# Altium PCB POWER_BOARD.PcbDoc
Units mm, origin at the board's own origin, x right, y up, seen from the top; angles counter-clockwise.
Board outline 99.82 x 99.82 mm, 2 copper layers (Top Layer, Bottom Layer); 78 components, 31 nets, 191 pads, 245 vias.
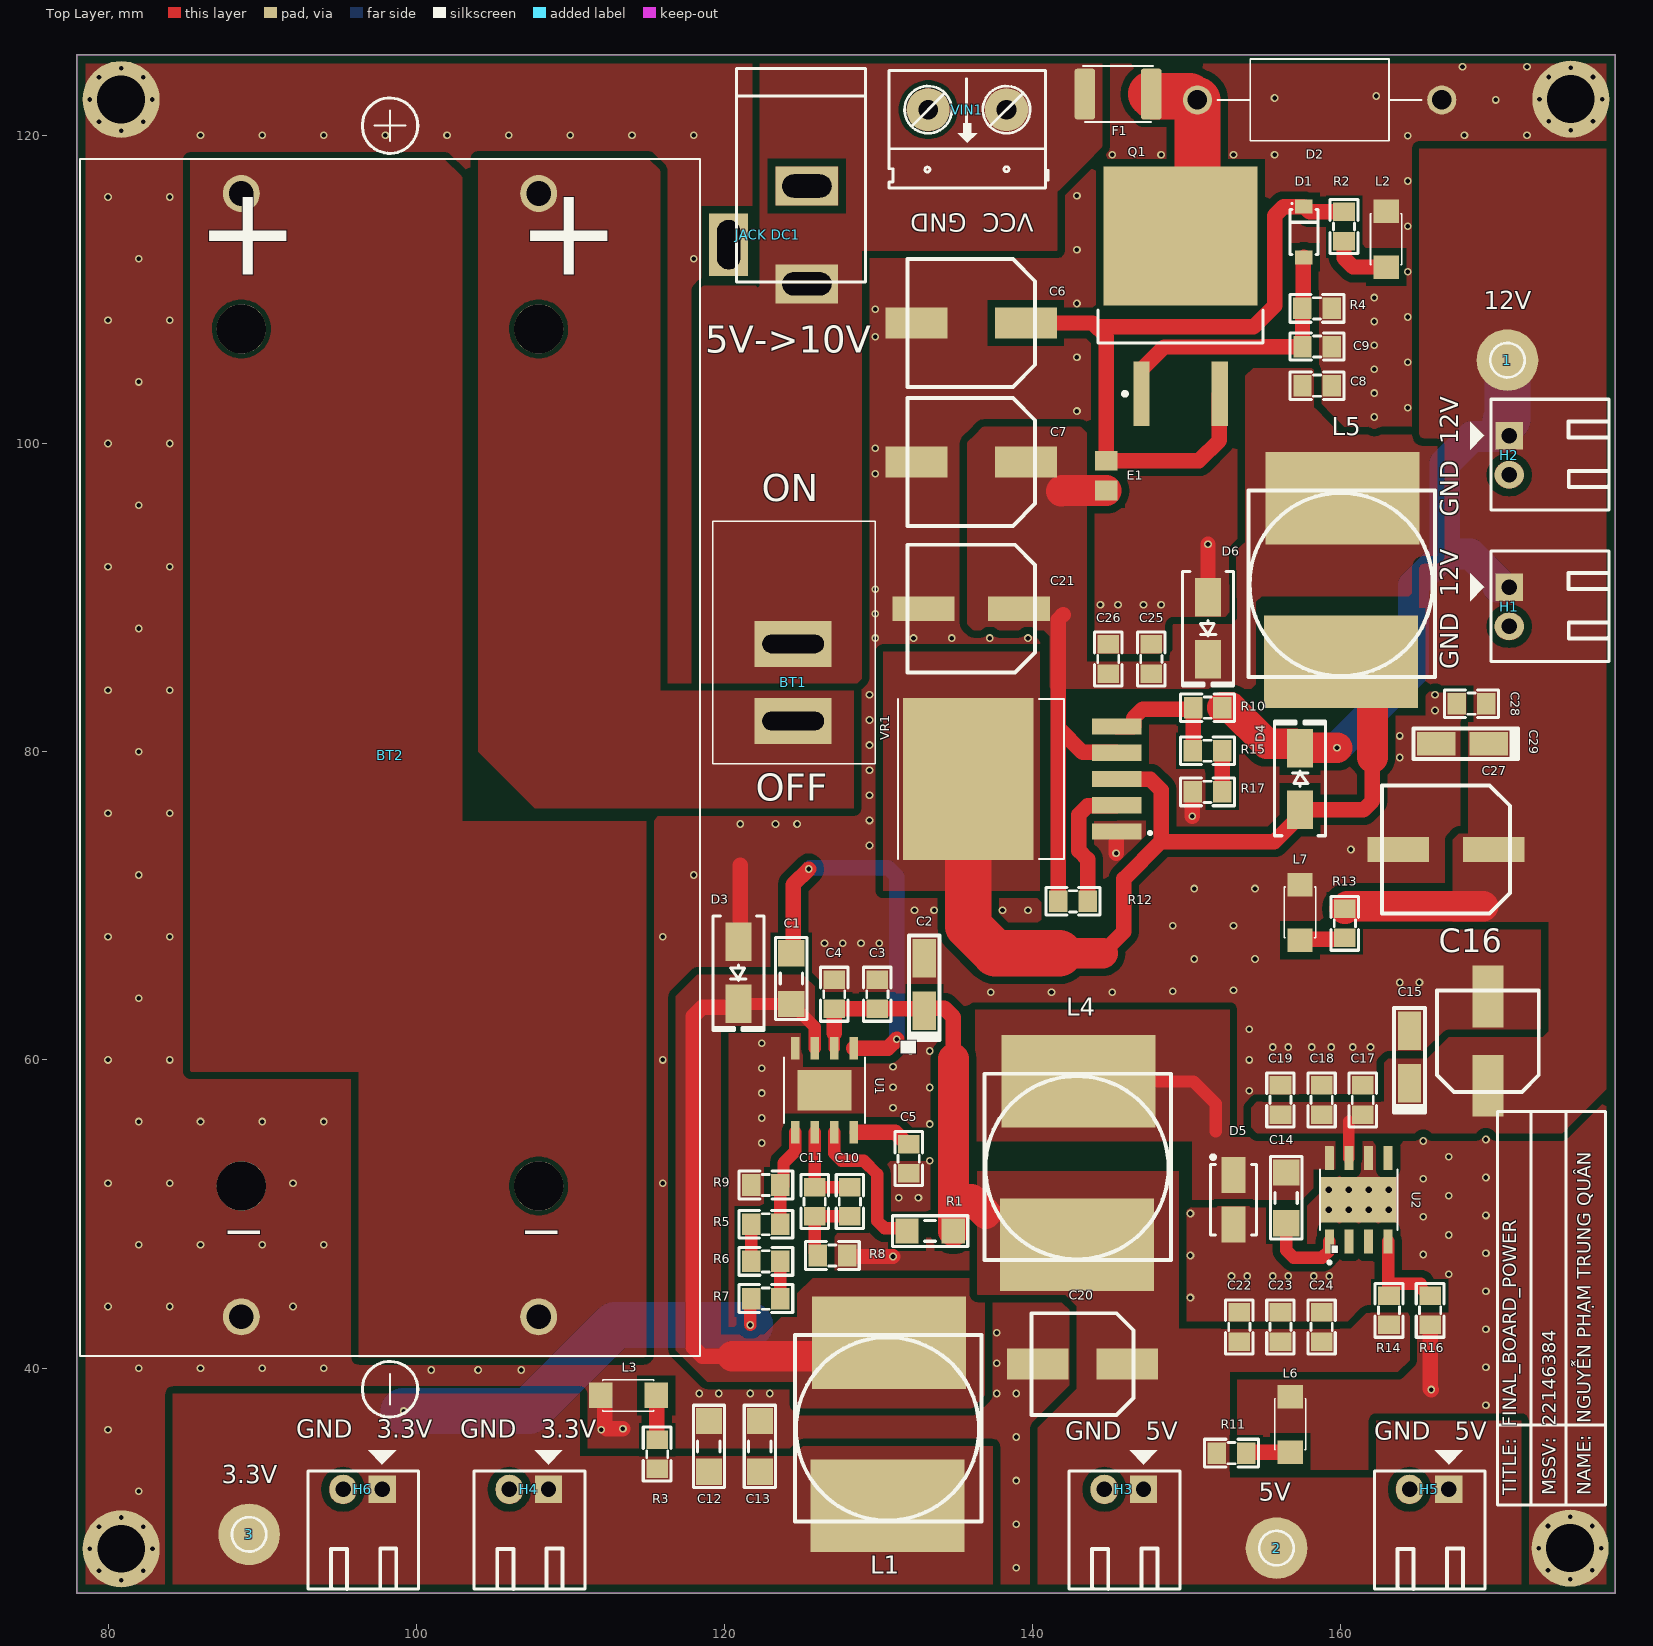
[diagram p0: Top Layer view]
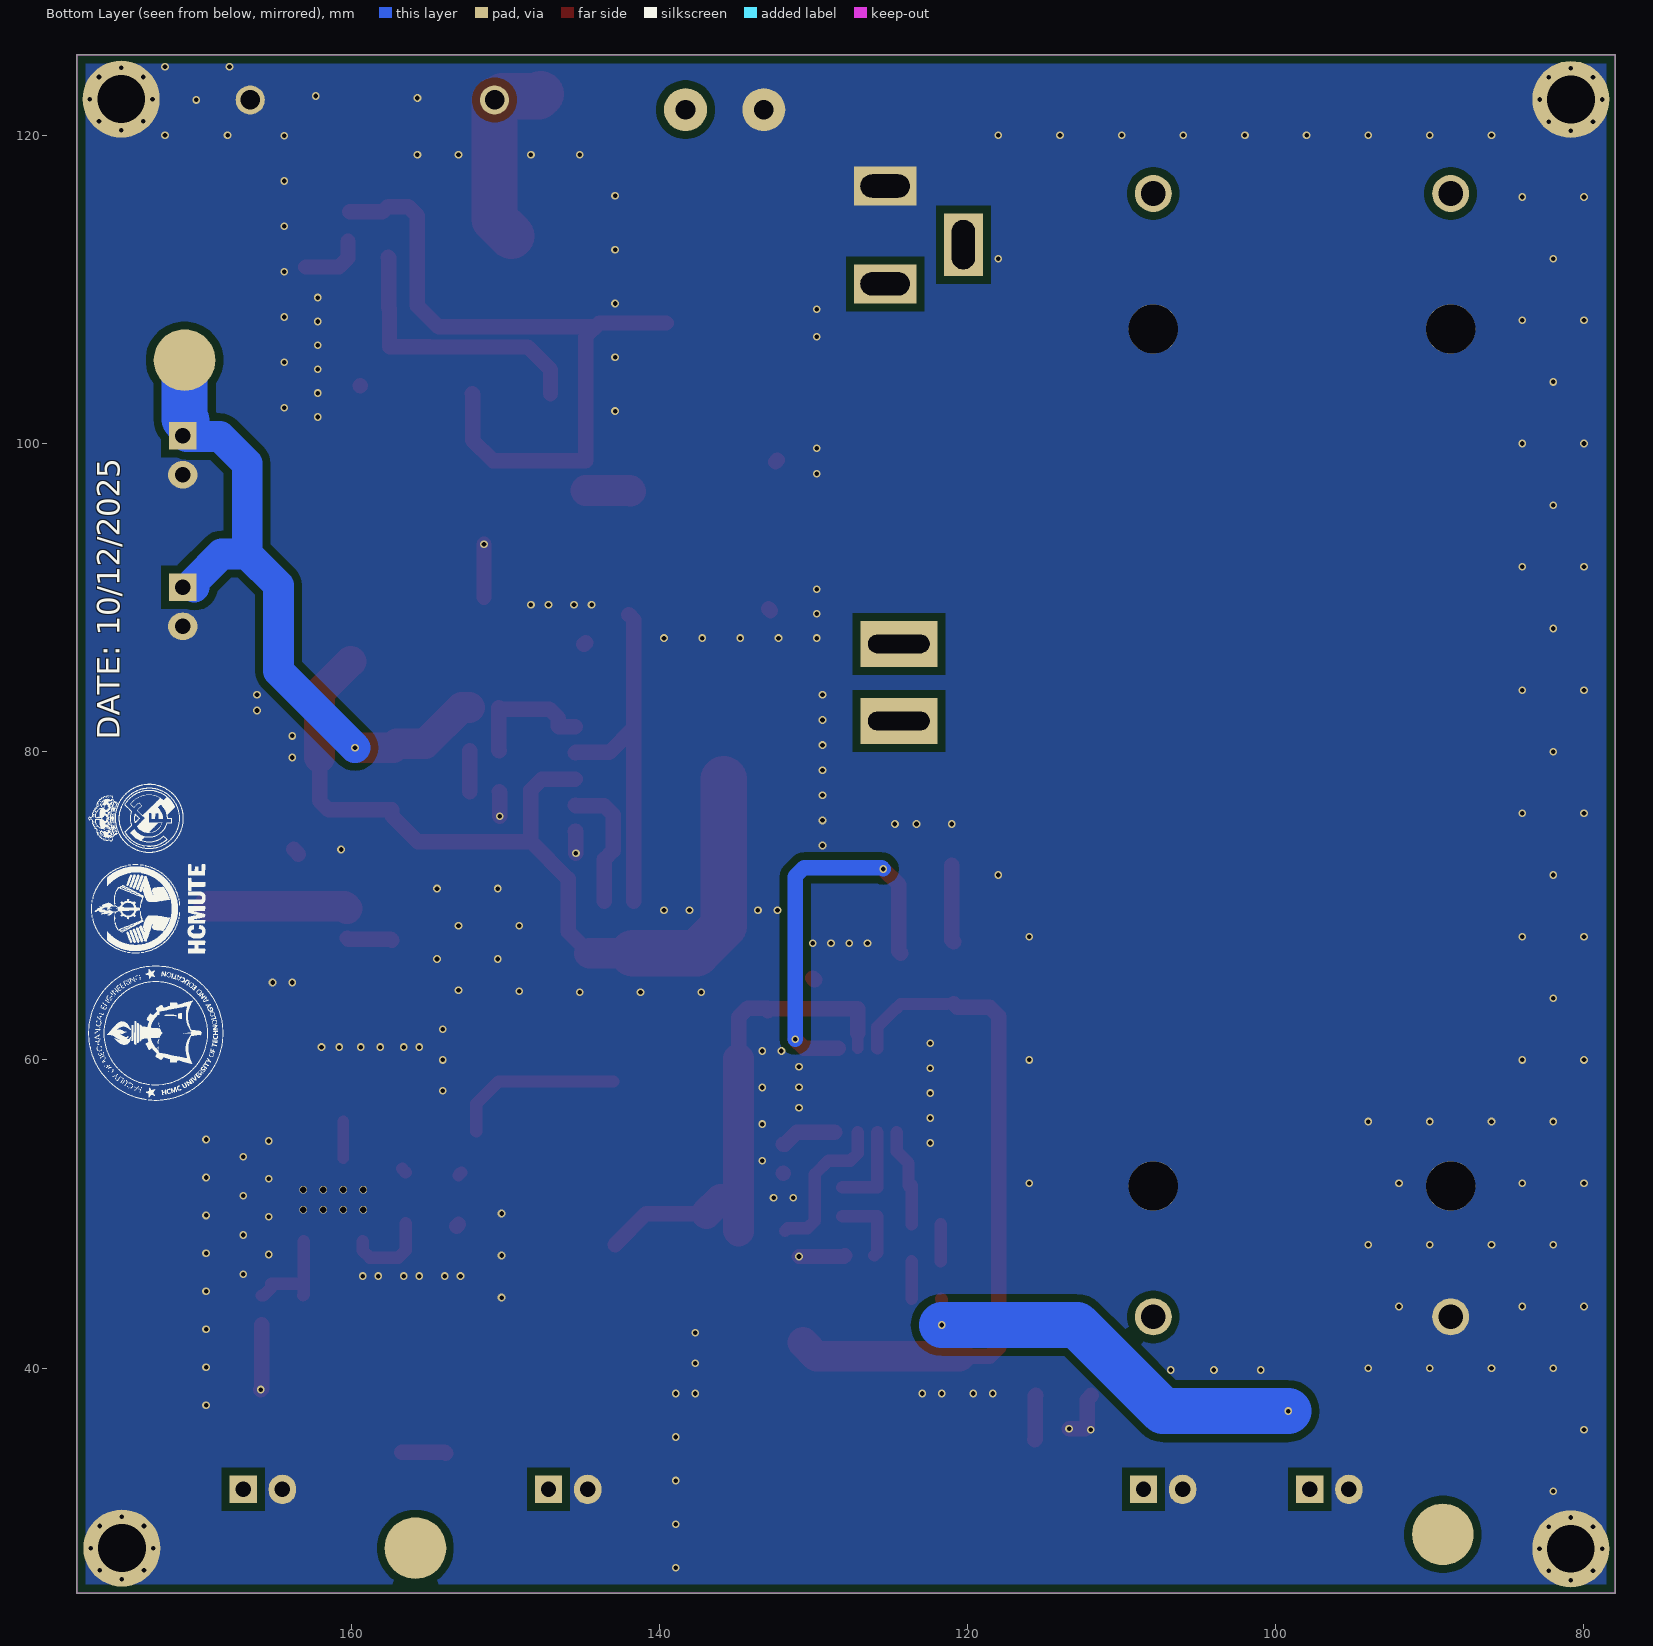
[diagram p1: Bottom Layer view, seen from below]
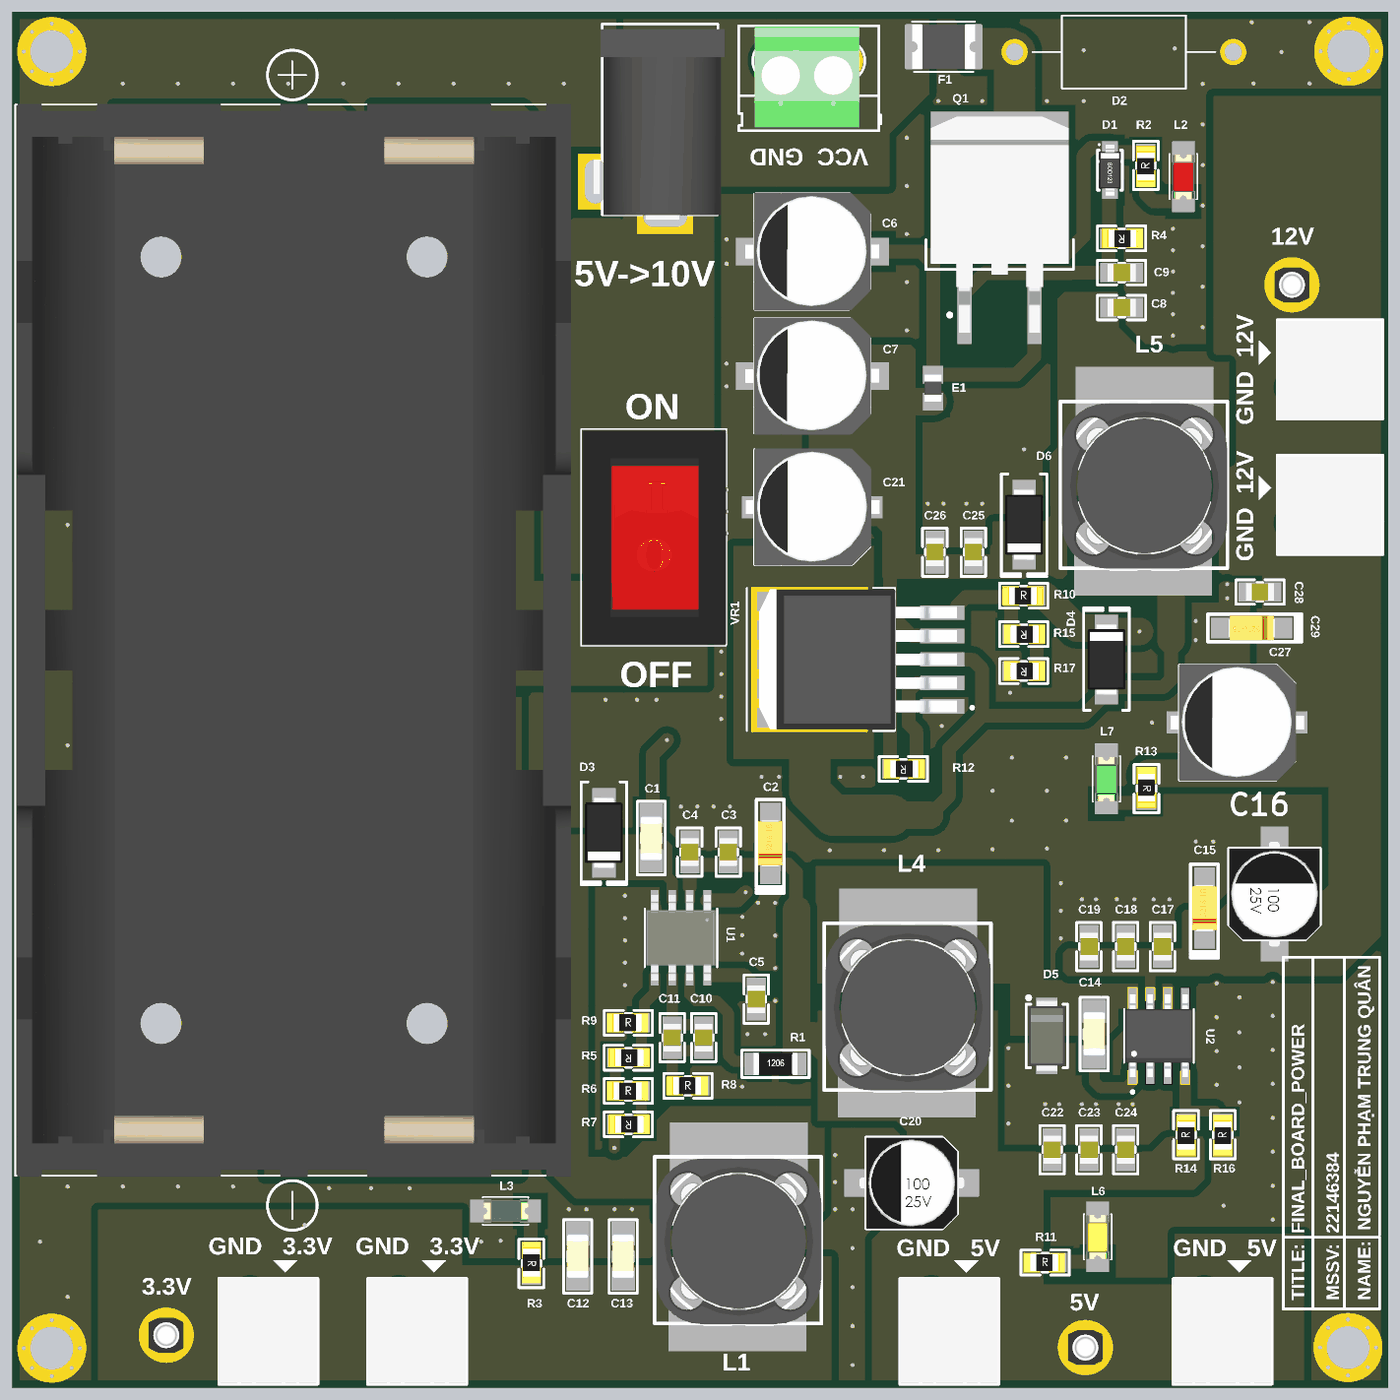
[diagram p2: 3D render of the assembled board from above, using the file's embedded part models]

## Layer stack, top to bottom
Top Solder: solder mask 0.0102, Solder Resist, Dk 3.5
Top Layer: signal copper 0.0356
Dielectric 1: dielectric 0.32, FR-4, Dk 4.8
Bottom Layer: signal copper 0.0356
Bottom Solder: solder mask 0.0102, Solder Resist, Dk 3.5

## Board outline
77.978,25.4 77.978,125.222 177.8,125.222 177.8,25.4

## Design rules (kind name [scope] priority, off if disabled: settings)
Clearance [All] p1: gap=0.3 ignorepadtopadclearanceinfootprint=FALSE except(0.5: Arc-Fill Arc-Poly Arc-Region Track-Fill Track-Poly Track-Region SMDPad-Fill SMDPad-Poly SMDPad-Region THPad-Fill THPad-Poly THPad-Region Via-Fill Via-Poly Via-Region Fill-Fill Fill-Poly Fill-Region Poly-Poly Poly-Region Region-Region)
HoleSize [All] p1: absolutevalues=TRUE maxlimit=5 minlimit=0.025 maxpercent=80.000 minpercent=20.000
PolygonConnect [All] p1: connectstyle=Direct reliefconductorwidth=0.254 reliefentries=4 polygonreliefangle="90 Angle" airgapwidth=0.254
RoutingVias [All] p1: holewidth=0.3 width=0.5 viastyle="Through Hole" minholewidth=0.3 minwidth=0.5 maxholewidth=0.3 maxwidth=0.5
SilkToSolderMaskClearance [IsPad] p1: minsilkscreentomaskgap=0 clearancetoexposedcopper=TRUE
SolderMaskExpansion [IsVia] p1: expansion=0.102 istentingtop=TRUE useseparateexpansions=TRUE expansionbottom=0.102 istentingbottom=TRUE
SupplyNets "Schematic Supply Nets_6" [InNet('VCC_BATTERY')] p1: voltage=0.000
SupplyNets "Schematic Supply Nets_5" [InNet('PW_IN')] p2: voltage=0.000
SupplyNets "Schematic Supply Nets_4" [InNet('VCC_IN')] p3: voltage=0.000
SupplyNets "Schematic Supply Nets_3" [InNet('GND')] p4: voltage=0.000
SupplyNets "Schematic Supply Nets_2" [InNet('3.3V')] p5: voltage=0.000
SupplyNets "Schematic Supply Nets_1" [InNet('12V')] p6: voltage=0.000
SupplyNets "Schematic Supply Nets" [InNet('5V')] p7: voltage=0.000
UnRoutedNet [All] p1: checkbadconnections=TRUE
Width [All] p1: maxlimit=3 minlimit=0.3 preferedwidth=1
27 further rules are at their usual default settings.

## Components (designator, comment, footprint, x,y, rotation, side; value= is the part's Value field where it differs from the comment)
1 "TP" TP1 170.815,105.41 r90 top value="Test Point"
2 "TP" TP1 155.829,28.321 r90 top value="Test Point"
3 "TP" TP1 89.154,29.21 r90 top value="Test Point"
BT1 "cong tac bap benh" "CONG TAC BAP BENH" 124.46,81.995 r90 top
BT2 "BK-18650-PC4" BAT_BK-18650-PC4 98.298,79.629 r270 top
C1 "103" "tu 1206" 124.333,65.278 r270 top
C2 "10uF" "tu tantalum smd3216" 132.969,64.897 r90 top
C3 "106" "tu 0805" 129.921,64.262 r90 top
C4 "104" "tu 0805" 127.127,64.262 r90 top
C5 "104" "tu 0805" 131.953,53.594 r270 top
C6 "100uF" "tu nhom 8 (f)" 136.017,107.823 r180 top
C7 "100uF" "tu nhom 8 (f)" 136.017,98.806 r180 top
C8 "104" "tu 0805" 158.46,103.759 r0 top
C9 "105" "tu 0805" 158.46,106.299 r0 top
C10 "1nF/0805" "tu 0805" 128.143,50.8 r270 top
C11 "3.3nF/0805" "tu 0805" 125.857,50.8 r270 top
C12 "22uF/1206" "tu 1206" 118.999,34.925 r90 top
C13 "22uF/1206" "tu 1206" 122.301,34.925 r90 top
C14 "103" "tu 1206" 156.464,51.054 r90 top
C15 "10uF" "tu tantalum smd3216" 164.465,60.198 r90 top
C16 "47uF" "tu nhom 6.3 (D)" 169.545,61.214 r90 top
C17 "106" "tu 0805" 161.417,57.404 r90 top
C18 "106" "tu 0805" 158.75,57.404 r90 top
C19 "104" "tu 0805" 156.083,57.404 r90 top
C20 "220uF" "tu nhom 6.3 (d)" 143.235,40.259 r180 top
C21 "220uF" "tu nhom 8 (e)" 136.017,89.281 r180 top
C22 "106" "tu 0805" 153.413,42.672 r90 top
C23 "106" "tu 0805" 156.083,42.672 r90 top
C24 "104" "tu 0805" 158.75,42.672 r90 top
C25 "106" "tu 0805" 147.701,86.014 r90 top
C26 "105" "tu 0805" 144.907,86.014 r90 top
C27 "220uF" "tu nhom 8 (e)" 166.826,73.66 r180 top
C28 "105" "tu 0805" 168.492,83.124 r180 top
C29 "10uF" "tu tantalum smd3216" 167.894,80.518 r180 top
D1 "ZENER 3.3V" SOD123 157.607,113.729 r90 top
D2 "1.5KE18CA" DIOAD1586W101L900D530 158.623,122.301 r180 top
D3 "SS34" "DIODE SMA" 120.904,65.659 r270 top
D4 "SS34" "DIODE SMA" 157.353,78.232 r90 top
D5 "SS54" "DO-214AC (SMA)" 153.035,50.927 r90 top
D6 "M7" "DIODE SMA" 151.384,88.011 r270 top
E1 "CBW201209U121T" FB_LI0805H121R-10 144.78,97.917 r270 top
F1 "2A 24V" "Cau chi tu phuc hoi 2A 24V SMD1812" 145.542,122.682 r0 top
H1 "Header 2P 2.54 Duc Cong" "Header 2P DC 2.54" 170.929,90.678 r0 top
H2 "Header 2P 2.54 Duc Cong" "Header 2P DC 2.54" 170.929,100.513 r0 top
H3 "Header 2P 2.54 Duc Cong" "Header 2P DC 2.54" 147.193,32.131 r270 top
H4 "Header 2P 2.54 Duc Cong" "Header 2P DC 2.54" 108.585,32.131 r270 top
H5 "Header 2P 2.54 Duc Cong" "Header 2P DC 2.54" 167.005,32.131 r270 top
H6 "Header 2P 2.54 Duc Cong" "Header 2P DC 2.54" 97.79,32.131 r270 top
"JACK DC1" "JACK DC 5.5" "JACK DC 5.5" 122.809,113.538 r270 top value="Jac DC"
L1 "15uh" "Cuon Cam 12x12x10" 124.583,30.056 r0 top
L2 "LED 1206" LED-1206-Red 162.941,111.455 r90 top
L3 "LED 0805" LED-1206-Blue 115.57,38.227 r180 top
L4 "22uh" "Cuon Cam 12x12x10" 136.875,47.006 r0 top
L5 "68uh" "Cuon Cam 12x12x10" 154.02,84.852 r0 top
L6 "LED 0805" LED-1206-Yellow 156.718,34.544 r90 top
L7 "LED 0805" LED-1206-Green 157.353,67.767 r90 top
Q1 "IRF4905STRLPBF" "TO-263 (D2PAK)" 149.606,109.474 r90 top
R1 "100k/1206" "tro smd 1206" 133.35,48.895 r0 top
R2 "10k" "tro smd 0805" 160.147,114.076 r90 top
R3 "10k" "tro smd 0805" 115.697,34.417 r270 top
R4 "10k" "tro smd 0805" 158.457,108.712 r180 top
R5 "22k" "tro smd 0805" 122.682,49.276 r180 top
R6 "220" "tro smd 0805" 122.682,46.99 r0 top
R7 "3.9k" "Tro SMD 0805" 122.682,44.45 r180 top
R8 "6.8k/0805" "tro smd 0805" 127,47.371 r0 top
R9 "10k" "tro smd 0805" 122.682,51.943 r0 top
R10 "24k" "tro smd 0805" 151.357,82.922 r0 top
R11 "10k" "tro smd 0805" 152.908,34.544 r0 top
R12 "10k" "tro smd 0805" 142.621,70.231 r180 top
R13 "10k" "tro smd 0805" 160.323,68.869 r270 top
R14 "10k" "tro smd 0805" 163.068,43.755 r90 top
R15 "2.4k" "Tro SMD 0805" 151.357,80.001 r180 top
R16 "3.3k" "tro smd 0805" 165.735,43.755 r90 top
R17 "330R" "Tro SMD 0805" 151.357,77.334 r180 top
U1 "MP2307DN-HW-LF-P" IC8_MP2307_MNP 126.492,58.039 r270 top
U2 "TPS5430DDAR" CONV_TPS5430DDAR 161.163,50.927 r90 top
VIN1 "CON 2 KF301" "Con 2 KF301 5.08" 138.303,121.666 r180 top
VR1 "XL6019" DPAK170P1435X465-6N 139.319,78.232 r180 top

## Footprints (in the part's own frame and the unit in brackets; to place one, negate y for a bottom-side part, rotate by r counter-clockwise, add the part's x,y. Pads: shape width x height; smd on the part's side, far side on the other; paste and mask are expansions set on the pad)
BAT_BK-18650-PC4 [mm]
  round 2.4 hole 1.6: 1+(-36.6,9.65) 1-(36.3,9.65) 2+(-36.6,-9.65) 2-(36.3,-9.65)
  round 3.2 hole 3.2: ""(-27.81,-9.65) ""(-27.81,9.65) ""(27.81,-9.65) ""(27.81,9.65)
  silkscreen extent -42,-20.1 42,20.1, body extent -38.9,-19.97 38.9,20.23, height 21
"Cau chi tu phuc hoi 2A 24V SMD1812" [mm]
  rrect25% 1.34x3.29 smd: 1(-2.15,0) 2(2.15,0)
  silkscreen extent -2.28,-1.83 2.28,1.83, body extent -2.27,-1.62 2.27,1.62, height 1.25
"Con 2 KF301 5.08" [mil]
  round 110 hole 50: 1(0,0) 2(200,0)
  silkscreen extent -106,-100 300,200, body extent -45,-97 255,190, height 335
"CONG TAC BAP BENH" [mm]
  rect 3x5 hole 1.2 slot 4 at 90 deg: 1(0,0) 2(5,0)
  silkscreen extent -2.77,-5.33 12.95,5.21, body extent -2.67,-5.32 12.83,5.08, height 14.5
CONV_TPS5430DDAR [mm]
  rrect10% 1.55x0.6 smd mask+0: 1(-2.7,1.905) 2(-2.7,0.635) 3(-2.7,-0.635) 4(-2.7,-1.905) 5(2.7,-1.905) 6(2.7,-0.635) 7(2.7,0.635) 8(2.7,1.905)
  rect 2.95x4.9 smd paste-3 mask+0: 9(0,0)
  round 0.5 hole 0.4 mask+0: 10(-0.65,1.95) 11(0.65,1.95) 12(-0.65,0.65) 13(0.65,0.65) 14(-0.65,-0.65) 15(0.65,-0.65) 16(-0.65,-1.95) 17(0.65,-1.95)
  silkscreen extent -4.17,-2.52 1.95,2.52, body extent -3,-2.45 3,2.45, height 1.7
"Cuon Cam 12x12x10" [mm] "Cuon Cam 12x12x10"
  rect 10x6 smd: 1(6.1,11.6) 2(6,1)
  silkscreen extent 0,0 12.1,12.1, body extent 0.1,-0.2 12.1,12.14, height 7.51
DIOAD1586W101L900D530 [mm]
  round 1.89 hole 1.26: 1(-7.93,0) 2(7.93,0)
  silkscreen extent -6.63,-2.65 6.63,2.65
"DIODE SMA" [mm] "SMA"
  rect 2.5x1.7 smd: 1(-2,0) 2(2,0)
  silkscreen extent -3.68,-1.65 3.75,1.65, body extent -2.6,-1.37 2.6,1.37, height 2.4
"DO-214AC (SMA)" [mm] "Molded Diode, 2-Leads, Body 4.3x2.7mm, IPC Medium Density"
  rect 2.35x1.55 smd: 1(-1.6,0) 2(1.6,0)
  silkscreen extent -2.3,-1.5 2.89,1.5, body extent -2.6,-1.3 2.6,1.3, height 2.4
DPAK170P1435X465-6N [mm]
  rect 3.21x1.05 smd: 1(-6.13,3.4) 2(-6.13,1.7) 3(-6.13,0) 4(-6.13,-1.7) 5(-6.13,-3.4)
  rect 8.46x10.53 smd paste-6: 6(3.5,0)
  silkscreen extent -8.4,-5.18 8.05,5.18, body extent -7.17,-5.08 7.17,5.08, height 4.65
FB_LI0805H121R-10 [mm]
  rect 1.285x1.47 smd: 1(-0.973,0) 2(0.973,0)
  body extent -1,-0.63 1,0.63, height 1.1
"Header 2P DC 2.54" [mil]
  rect 70x70 hole 39.37: 1(0,0)
  oval 75x70 hole 39.37: 2(0,-100)
  silkscreen extent -100,-190 255,93, body extent -50,-190 250,90, height 237
IC8_MP2307_MNP [mil]
  rect 57.5x22 smd paste+0 mask+0: 1(-107.25,75) 2(-107.25,25) 3(-107.25,-25) 4(-107.25,-75) 5(107.25,-75) 6(107.25,-25) 7(107.25,25) 8(107.25,75)
  rect 103x138 smd paste-68.5 mask+0: EPAD(0,0)
  silkscreen extent -84,-104 84,104, body extent -122,-99 122,99, height 67
"JACK DC 5.5" [mm] "Jac DC input"
  rect 2.54x4.064 hole 1.5 slot 3.2 at 90 deg: 1(3.175,2.54) 2(-3.175,2.54)
  rect 4.064x2.54 hole 1.5 slot 3.2 at 0 deg: 3(0.635,-2.54)
  silkscreen extent -10.8,-2.03 3.05,6.35, body extent -10.42,-2.67 3.4,6.84, height 11.02
LED-1206-Blue [mil] "Compoment SMD 120x60mil"
  rect 60x65 smd: 1(0,0) 2(142,0)
  silkscreen extent 6,-40 136,40, body extent 7,-31 133,32, height 43
LED-1206-Green [mil]
  rect 60x65 smd: 1(0,0) 2(142,0)
  silkscreen extent 6,-40 136,40, body extent 7,-31 133,32, height 43
LED-1206-Red [mil]
  rect 60x65 smd: 1(0,0) 2(142,0)
  silkscreen extent 6,-40 136,40, body extent 7,-31 133,32, height 43
LED-1206-Yellow [mil]
  rect 60x65 smd: 1(0,0) 2(142,0)
  silkscreen extent 6,-40 136,40, body extent 7,-31 133,32, height 43
SOD123 [mm] "Molded Diode, 2-Leads, Body 2.7x1.6mm, IPC Medium Density"
  rect 0.91x1.143 smd: 1(-1.64,0) 2(1.64,0)
  silkscreen extent -1.45,-0.9 1.9,0.9, body extent -1.85,-0.78 1.85,0.77, height 1.35
"TO-263 (D2PAK)" [mm]
  rect 4.2x1.05 smd: 1(-6.25,2.54) 3(-6.25,-2.54)
  rect 9x10 smd: 2(4,0)
  silkscreen extent -6.37,-5.35 -0.8,5.35, body extent -7.53,-5 8.14,5, height 4.78
TP1 [mm] "Test point"
  round 4 all layers, no hole: 1(0,0)
  silkscreen extent -1.12,-1.12 1.12,1.11, body extent -1.27,-1.27 1.27,1.27, height 4.52
"tro smd 0805" [mm]
  rect 1.2x1.4 smd: 1(-0.946,-0.061) 2(0.954,-0.061)
  silkscreen extent -1.75,-0.97 1.75,0.84, body extent -1.56,-0.76 1.44,0.64, height 0.53
"Tro SMD 0805" [mm]
  rect 1.2x1.4 smd: 1(-0.946,-0.061) 2(0.954,-0.061)
  silkscreen extent -1.75,-0.97 1.75,0.84, body extent -1.56,-0.76 1.44,0.64, height 0.53
"tro smd 1206" [mm]
  rect 1.5x1.6 smd: 1(-1.5,0) 2(1.5,0)
  silkscreen extent -2.44,-0.99 2.44,0.99, body extent -1.6,-0.8 1.6,0.8, height 0.6
"tu 0805" [mm] "Compoment SMD 80x50mil"
  rect 1.2x1.4 smd: 1(-0.946,-0.003) 2(0.954,-0.003)
  silkscreen extent -1.75,-0.89 1.75,0.89, body extent -1.01,-0.64 1.01,0.63, height 0.61
"tu 1206" [mm]
  rect 1.7x1.7 smd: 1(-1.65,0) 2(1.65,0)
  silkscreen extent -2.67,-1.02 2.67,1.02, body extent -1.57,-0.8 1.63,0.8, height 0.94
"tu nhom 6.3 (D)" [mm]
  rect 4x2 smd: 1(-2.9,0) 2(2.9,0)
  silkscreen extent -3.3,-3.3 3.3,3.3, body extent -3.8,-3.3 3.8,3.3, height 8
"tu nhom 6.3 (d)" [mm]
  rect 4x2 smd: 1(-2.9,0) 2(2.9,0)
  silkscreen extent -3.3,-3.3 3.3,3.3, body extent -3.8,-3.3 3.8,3.3, height 8
"tu nhom 8 (e)" [mm]
  rect 4x1.6 smd: 1(-3.1,0) 2(3.1,0)
  silkscreen extent -4.15,-4.15 4.15,4.15, body extent -4.88,-4.25 4.82,4.25, height 10.5
"tu nhom 8 (f)" [mm]
  rect 4x2 smd: 1(-3.55,0) 2(3.55,0)
  silkscreen extent -4.15,-4.15 4.15,4.15, body extent -4.85,-4.25 4.85,4.25, height 10.5
"tu tantalum smd3216" [mm]
  rect 2.5x1.5 smd: 1(-1.7,0) 2(1.7,0)
  silkscreen extent -3.61,-1 3.17,1, body extent -1.7,-0.9 1.7,0.9, height 1.69

## Part data
1 2 3: library part TP1, "Test Point"
BT2: "Battery Holder (Open) 18650 2 Cell PC Pin", PACKAGE=None, Availability=Unavailable, MP=BK-18650-PC4, Price=None
C1 C14: library part "Tu 1206 103 50V 10%", "Dán", Chung_Loai=Dán, Don_Vi=Con, Ma_Hang=MH004543, So_Chan=2, Ten_Linh_Kien="Tụ 1206 103-10nF 10% 50V"
C2 C15 C29: library part "Tu tantalum 10uF 16V SMD3216", "Dán", Chung_Loai=Dán, Don_Vi=Con, Ma_Hang=MH001954, So_Chan=2, Ten_Linh_Kien="Tụ tantalum 106C-10uF 16V SMD3216"
C3 C17 C18 C22 C23 C25: library part "Tu 0805 106 16V 10%", "Dán", Chung_Loai=Dán, Don_Vi=Con, Ma_Hang=MH004553, So_Chan=2, Ten_Linh_Kien="Tụ 0805 106-10uF 10% 16V"
C4 C5 C8 C19 C24: library part "Tu 0805 104 50V 10%", "Dán", Chung_Loai=Dán, Don_Vi=Con, Ma_Hang=MH004551, So_Chan=2, Ten_Linh_Kien="Tụ 0805 104-100nF 10% 50V"
C6 C7: library part "Tu Nhom 100uF 50V", "Dán", Chung_Loai=Dán, Don_Vi=Con, Ma_Hang=MH002223, So_Chan=2, Ten_Linh_Kien="Tụ Nhôm 100uF 50V 8x10.2MM"
C9 C26 C28: library part "Tu 0805 105 50V 10%", "Dán", Chung_Loai=Dán, Don_Vi=Con, Ma_Hang=MH004552, So_Chan=2, Ten_Linh_Kien="Tụ 0805 105-1uF 10% 50V"
C10: library part "Tu 0805 102 50V 10%", "Dán", Chung_Loai=Dán, Don_Vi=Con, Ma_Hang=MH004549, So_Chan=2, Ten_Linh_Kien="Tụ 0805 102-1nF 10% 50V"
C11: library part "Tu 0805 332 50V 10%", "Dán", Chung_Loai=Dán, Don_Vi=Con, Ma_Hang=MH004561, So_Chan=2, Ten_Linh_Kien="Tụ 0805 332-3.3nF 10% 50V"
C12 C13: library part "Tu 1206 226 16V 20%", "Dán", Chung_Loai=Dán, Don_Vi=Con, Ma_Hang=MH004546, So_Chan=2, Ten_Linh_Kien="Tụ 1206 226-22uF 20% 16V"
C16: library part "Tu Nhom 47uF 16V", "Dán", Chung_Loai=Dán, Don_Vi=Con, Ma_Hang=MH007468, So_Chan=2, Ten_Linh_Kien="Tụ Nhôm 47uF 16V"
C20: library part "Tu Nhom 220uF 16V", "Dán", Chung_Loai=Dán, Don_Vi=Con, Ma_Hang=MH002227, So_Chan=2, Ten_Linh_Kien="Tụ Nhôm 220uF 16V 6.3x7.7MM"
C21 C27: library part "Tu Nhom 220uF 10V", "Dán", Chung_Loai=Dán, Don_Vi=Con, Ma_Hang=MH004021, So_Chan=2, Ten_Linh_Kien="Tụ Nhôm 220uF 10V"
D1: library part "Diode Zener", "Zener Diode"
D2: "32.5V Clamp 308A (8/20Âµs) Ipp Tvs Diode Through Hole DO-201", PACKAGE="DO-201 Littelfuse", Check_prices=https://www.snapeda.com/parts/1.5KE18CA/STMicroelectronics/view-part/?ref=eda, MF=STMicroelectronics, MP=1.5KE18CA, SnapEDA_Link=https://www.snapeda.com/parts/1.5KE18CA/STMicroelectronics/view-part/?ref=snap
D3 D4: library part "Diode SS34 ( 1N5822 )", "Dán", Chung_Loai=Dán, Don_Vi=Con, Ma_Hang=MH002104, Ten_Linh_Kien="Diode SS34 3A 40V SMA ( 1N5822 SS34A)"
D5: library part "Diode Schottky", "Schottky Diode"
D6: library part "Diode M7 ( 4007 )", "Dán", Chung_Loai=Dán, Don_Vi=Con, Ma_Hang=MH000944, Ten_Linh_Kien="Diode M7 1N4007 SMD 1A 1000V"
E1: library part LI0805H121R-10, "EMI Ferrite Chip Bead, 0805, 800MA, 120Ohms @100MHz, DCR Max 0.150Ohm", PACKAGE="0805 Laird", Check_prices=https://www.snapeda.com/parts/LI0805H121R-10/Laird/view-part/?ref=eda, MF=Laird, MP=LI0805H121R-10, SnapEDA_Link=https://www.snapeda.com/parts/LI0805H121R-10/Laird/view-part/?ref=snap
F1: library part "Cau chi tu phuc hoi 2A 24V SMD1812", "2A 24V SMD1812", Ma_Hang=MH010033, Ten="Cầu Chì Tự Phục Hồi 2A 24V SMD1812"
H1 H2 H3 H4 H5 H6 VIN1: "Cắm", Chung_Loai=Cắm, Don_Vi=Con
  H1 H2 H3 H4 H5 H6: Ma_Hang=MH002852, Ten_Linh_Kien="Header 2P XH2.54-2P Đực Cong"
  VIN1: Ma_Hang=MH000987, Ten_Linh_Kien="CON 2 KF301-2P 5.08MM Xanh Dương"
L1 L4 L5: library part "CUON CAM 100uH SMD", "Dán", Chung_Loai=Dán, Don_Vi=Con, Ten_Linh_Kien="Cuộn Cảm 100uH 7x7x4MM CD74"
L2: library part "LED 1206 Do", "Dán", Chung_Loai=Dán, Don_Vi=Con, Ma_Hang=MH002334, Ten_Linh_Kien="LED1206 Màu Đỏ (Red)"
L3: library part "LED 1206 Xanh Duong", "Dán", Chung_Loai=Dán, Don_Vi=Con, Ma_Hang=MH002333, Ten_Linh_Kien="LED1206 Màu Xanh Dương (Blue)"
L6: library part "LED 1206 Vang", "Dán", Chung_Loai=Dán, Don_Vi=Con, Ma_Hang=MH002331, Ten_Linh_Kien="LED1206 Màu Vàng (Yellow)"
L7: library part "LED 1206 Xanh La", "Dán", Chung_Loai=Dán, Don_Vi=Con, Ma_Hang=MH002947, Ten_Linh_Kien="LED1206 Màu Xanh Lá (Green)"
Q1: library part "Mosfet P", "Mosfet P"
R1: library part "Tro 1206 1% 100K", "Dán", Chung_Loai=Dán, Don_Vi=Con, Ma_Hang=MH005890, So_Chan=2, Ten_Linh_Kien="Trở 1206 1% 100k"
R2 R3 R4 R9 R11 R12 R13 R14: library part "Tro 0805 5% 10k", "Dán", Chung_Loai=Dán, Don_Vi=Con, Ma_Hang=MH005239, So_Chan=2, Ten_Linh_Kien="Trở 0805 5% 10k"
R5 R10: library part "Tro 0805 5% 22k", "Dán", Chung_Loai=Dán, Don_Vi=Con, Ma_Hang=MH005248, So_Chan=2, Ten_Linh_Kien="Trở 0805 5% 22k"
R6: library part "Tro 0805 5% 220R", "Dán", Chung_Loai=Dán, Don_Vi=Con, Ma_Hang=MH005259, So_Chan=2, Ten_Linh_Kien="Trở 0805 5% 220R"
R7: library part "Tro 0805 5% 3.9k", "Dán", Chung_Loai=Dán, Don_Vi=Con, Ma_Hang=MH007670, So_Chan=2, Ten_Linh_Kien="Trở 0805 5% 3.9k"
R8: library part "Tro 0805 5% 6.8k", "Dán", Chung_Loai=Dán, Don_Vi=Con, Ma_Hang=MH005311, So_Chan=2, Ten_Linh_Kien="Trở 0805 5% 6.8k"
R15: library part "Tro 0805 5% 2k", "Dán", Chung_Loai=Dán, Don_Vi=Con, Ma_Hang=MH005304, So_Chan=2, Ten_Linh_Kien="Trở 0805 5% 2k"
R16: library part "Tro 0805 5% 3.3k", "Dán", Chung_Loai=Dán, Don_Vi=Con, Ma_Hang=MH005305, So_Chan=2, Ten_Linh_Kien="Trở 0805 5% 3.3k"
R17: library part "Tro 0805 5% 330R", "Dán", Chung_Loai=Dán, Don_Vi=Con, Ma_Hang=MH005337, So_Chan=2, Ten_Linh_Kien="Trở 0805 5% 330R"
U1: "3A 23V 340KHz Synchronous Rectified Step-Down Converter", Manufacturer_Name="Monolithic Power Systems", Copyright="Copyright (C) 2025 Ultra Librarian. All rights reserved.", Datasheet=https://www.monolithicpower.com/en/documentview/productdocument/index/version/2/document_type/Datasheet/lang/en/sku/MP2307, Manufacturer_Part_Number=MP2307DN-HW-LF-P, RefDes=RefDes, TYPE=Type
U2: "5.5V to 36V Input, 3A, 500kHz Step-Down Converter", PACKAGE="HSOIC-8 Texas Instruments", Availability="In Stock", Check_prices=https://www.snapeda.com/parts/TPS5430DDAR/Texas+Instruments/view-part/?ref=eda, MF="Texas Instruments", MP=TPS5430DDAR, Price=None, Purchase-URL=https://pricing.snapeda.com/search/part/TPS5430DDAR/?ref=eda, SnapEDA_Link=https://www.snapeda.com/parts/TPS5430DDAR/Texas+Instruments/view-part/?ref=snap
VR1: library part XL6009, "The XL6009 regulator is a wide input range, current mode, DC/DC converter which is capable of generating either positive or negative output voltages.", PACKAGE="TO-263-5L XLSEMI", Availability="Not in stock", Check_prices=https://www.snapeda.com/parts/XL6009/XLSEMI/view-part/?ref=eda, MF=XLSEMI, MP=XL6009, Price=None, SnapEDA_Link=https://www.snapeda.com/parts/XL6009/XLSEMI/view-part/?ref=snap

## Free pads (board coordinates)
  round 5 hole 3.1: ""(80.845,122.33) ""(80.85,28.275) ""(174.879,28.321) ""(174.929,122.355)

## Via types
v1: diameter 0.5, hole 0.3, Top Layer to Bottom Layer, tented both sides, 245 vias

## Nets (pads, with @x,y where several pads share a name; then routed paths per layer and width w, separated by ;. In a path a pad name is that pad's centre, name@x,y a point inside that pad or via, vN(x,y) a via of type N, cw(c..) or ccw(c..) an arc to the next point about the centre after c; other vN are vias at no path point)
3.3V: 3.1 C12.1 C13.1 H4.1 H6.1 L1.2 R3.2 R7.2 | length 26.5
  Top Layer w0.8: v1(121.666,42.799) 121.666,44.449 R7.2
  Bottom Layer w3: v1(99.187,37.211) 107.315,37.211 112.903,42.799 v1(121.666,42.799)
5V: 2.1 C2.1 C3.1 C4.1 C20.1 C22.1 C23.1 C24.1 H3.1 H5.1 L4.2 R1.2 R11.1 R14.1 U1.2 | length 33.6
  Top Layer w0.75: U1.2 127.127,61.722
  Top Layer w1: 127.127,61.722 127.127,63.313 C4.1 ; C4.1@127.23,63.316 C3.1 132.85,63.316 C2.1 ; C2.1@132.969,63.362 134.264,63.362 134.85,62.776 134.85,60.095 134.874,60.071 ; 136.961,50.027 140.854,50.027 L4.2
  Top Layer w2: R1.2 134.874,48.919 134.874,50.951 ; 134.874,60.071 134.874,50.951 ; 136.961,50.027 136.037,50.951 134.874,50.951
12V: 1.1 C15.1 C16.1 C17.1 C18.1 C19.1 C27.1 C28.1 C29.1 D4.2 H1.1 H2.1 R10.2 R13.1 U2.7 | length 54.5
  Top Layer w0.75: U2.7 160.528,56.007
  Top Layer w2: R10.2 152.856,82.861 155.198,80.518 157.019,80.518 157.273,80.264 v1(159.752,80.264) ; R13.1 160.425,69.977 169.231,69.977
  Bottom Layer w2: v1(159.752,80.264) 164.719,85.231 164.719,90.805 166.751,92.837 ; H1.1@170.18,90.678 170.18,91.065 168.408,92.837 166.751,92.837 ; H2.1@170.688,100.457 168.508,100.457 166.751,98.7 166.751,92.837
  Bottom Layer w3: 170.688,101.473 170.815,101.6 1.1
BS_NET: C1.1 U1.1 | length 25.5
  Top Layer w1: C1.1 124.46,67.055 124.46,71.374 v1(125.476,72.39) ; U1.1 130.613,60.763 v1(131.191,61.341)
  Bottom Layer w1: v1(125.476,72.39) 125.57,72.484 130.605,72.484 131.191,71.898 v1(131.191,61.341)
COMP_NET: C10.1 C11.1 U1.6 | length 5.9
  Top Layer w0.8: U1.6 125.855,55.313 C11.1 C11.1 C10.1
EN_NET: R1.1 U1.7 | length 10
  Top Layer w0.8: U1.7 127.127,53.936 127.596,53.467 129.032,53.467 129.921,52.578 129.921,49.55 130.39,49.082 131.663,49.082 R1.1
FB: R14.2 R16.2 U2.4 | length 6.8
  Top Layer w0.8: 163.068,45.636 163.256,45.448 ; U2.4 163.068,44.77 R14.2 ; 163.256,45.471 165.183,45.471 165.183,45.222 165.696,44.709 R16.2
FB_NET: R5.1 R9.2 U1.5 | length 6.6
  Top Layer w0.8: R5.1 123.632,49.341 123.632,51.878 R9.2 123.763,51.755 123.836,51.828 123.836,53.312 124.587,54.063 U1.5
GND: "JACK DC1.2" BT2. BT2.2- C2.2 C3.2 C4.2 C5.2 C6.2 C7.2 C8.2 C9.2 C12.2 C13.2 C15.2 C16.2 C17.2 C18.2 C19.2 C20.2 C21.2 C22.2 C23.2 C24.2 C25.2 C26.2 C27.2 C28.2 C29.2 D2.1 D3.1 D5.1 D6.1 H1.2 H2.2 H3.2 H4.2 H5.2 H6.2 L2.2 L3.2 L6.2 L7.2 pad. R4.1 R8.2 R9.1 R16.1 R17.2 U1.4 U1.EPAD U2.6 U2.9 U2.10 U2.11 U2.12 U2.13 U2.14 U2.15 U2.16 U2.17 VIN1.2 VR1.1 | length 23.5
  Top Layer w1: L3.2 112.225,37.965 112.225,36.189 112.346,36.068 v1(113.411,36.068) ; D3.1 121.031,67.786 121.031,72.644 ; R8.2 128.021,47.244 v1(130.937,47.244) ; C3.2 129.948,65.216 C3.2@130.048,65.316 ; C5.2 C5.2@131.953,52.636 ; C7.2@132.34,98.933 C7.2 ; C21.2@132.79,89.154 C21.2 ; C26.2@144.783,87.068 144.883,86.968 C26.2 ; v1(145.415,73.406) 145.415,74.807 145.44,74.832 VR1.1 ; v1(150.368,75.819) 150.368,77.36 R17.2 ; D6.1 v1(151.384,93.472) ; D5.1 D5.1@153.162,49.2 ; C8.2 C8.2@159.417,103.759 ; C27.2@163.426,73.36 C27.2 ; R16.1 165.796,38.674 v1(165.862,38.608)
  other v1: 80.85,26.243 174.879,26.289 79.413,26.838 82.287,26.838 173.442,26.884 176.316,26.884 138.938,27.051 78.818,28.275 82.882,28.275 172.847,28.321 176.911,28.321 79.413,29.712 82.287,29.712 173.442,29.758 176.316,29.758 138.938,29.877 80.85,30.307 174.879,30.353 82,32 138.938,32.703 138.938,35.528 80,36 112,36 169.418,37.592 118.364,38.354 119.634,38.354 121.666,38.354 122.936,38.354 137.668,38.354 138.938,38.354 100.965,39.878 104.013,39.878 106.807,39.878 82,40 86,40 90,40 94,40 169.418,40.056 137.668,40.322 137.668,42.291 169.418,42.519 80,44 84,44 92,44 150.241,44.577 169.418,44.983 152.908,45.974 153.924,45.974 155.575,45.974 156.591,45.974 158.242,45.974 159.258,45.974 167.005,46.101 150.241,47.307 165.354,47.371 169.418,47.447 82,48 86,48 90,48 94,48 167.005,48.641 165.354,49.826 169.418,49.911 150.241,50.038 131.318,51.054 132.588,51.054 167.005,51.181 80,52 84,52 92,52 116,52 165.354,52.282 169.418,52.374 133.324,53.467 167.005,53.721 122.428,54.61 165.354,54.737 169.418,54.838 133.324,55.838 82,56 86,56 90,56 94,56 122.428,56.229 130.937,56.896 122.428,57.848 154.051,58 130.937,58.229 133.324,58.208 122.428,59.468 130.937,59.563 80,60 84,60 116,60 154.051,60 132.08,60.579 133.324,60.579 155.575,60.833 156.591,60.833 158.115,60.833 159.385,60.833 160.782,60.833 161.925,60.833 122.428,61.087 154.051,62 82,64 137.287,64.389 141.224,64.397 145.161,64.397 149.098,64.459 153.035,64.516 163.83,65.024 165.1,65.024 150.495,66.548 154.432,66.548 126.492,67.564 127.677,67.564 128.863,67.564 130.048,67.564 80,68 84,68 116,68 149.098,68.707 153.035,68.707 132.334,69.723 133.604,69.723 138.049,69.723 139.7,69.723 150.495,71.12 154.432,71.12 82,72 118,72 160.655,73.66 129.413,73.914 121.031,75.311 123.317,75.311 124.714,75.311 129.413,75.544 80,76 84,76 129.413,77.174 129.413,78.803 163.83,79.629 82,80 129.413,80.433 163.83,81.026 129.413,82.063 166.116,82.677 129.413,83.693 166.116,83.693 80,84 84,84 129.794,87.376 132.27,87.376 134.747,87.376 137.224,87.376 139.7,87.376 82,88 129.794,88.963 144.399,89.535 145.542,89.535 147.193,89.535 148.336,89.535 129.794,90.551 80,92 84,92 82,96 129.794,98.044 129.794,99.695 80,100 84,100 162.179,101.727 142.875,102.108 164.338,102.329 162.179,103.276 82,104 162.179,104.826 164.338,105.271 142.875,105.6 162.179,106.375 129.794,106.934 162.179,107.925 80,108 84,108 164.338,108.213 129.794,108.712 142.875,109.093 162.179,109.474 164.338,111.155 82,112 118,112 142.875,112.585 164.338,114.097 80,116 84,116 142.875,116.078 164.338,117.04 145.161,118.745 148.336,118.745 153.035,118.745 155.702,118.745 86,120 90,120 94,120 98,120 102,120 106,120 110,120 114,120 118,120 164.338,119.982 168.021,120.015 172.085,120.015 80.845,120.298 174.929,120.323 79.408,120.893 82.282,120.893 173.492,120.918 176.366,120.918 170.053,122.301 78.813,122.33 82.877,122.33 172.897,122.355 176.961,122.355 155.702,122.428 162.306,122.555 79.408,123.767 82.282,123.767 173.492,123.792 176.366,123.792 80.845,124.362 174.929,124.387 167.894,124.46 172.085,124.46
NetBT2_1-: BT2.1- BT2.2+
NetC6_1: C6.1 D1.2 E1.1 Q1.3 R2.2 | length 47.3
  Top Layer w1: C6.1 143.891,107.823 144.78,106.934 E1.1 150.798,98.89 152.121,100.213 152.121,103.199 Q1.3 ; 144.145,107.569 154.332,107.569 155.702,108.939 155.702,114.783 156.288,115.369 D1.2 157.652,115.324 157.678,115.324 157.972,115.03 R2.2@160.108,115.03
NetC9_1: C9.1 D1.1 Q1.1 R4.2 | length 18.4
  Top Layer w1: Q1.1 147.066,104.799 148.536,106.269 154.871,106.269 154.897,106.296 C9.1 R4.2@157.514,108.761 ; R4.2@157.557,108.822 157.557,112.044 157.602,112.089 D1.1
NetC10_2: C10.2 C11.2 R8.1 | length 4.9
  Top Layer w0.8: 125.854,48.046 C11.2 C10.2 ; 125.854,48.045 125.854,47.51 R8.1
NetC14_1: C14.1 U2.1 | length 5.5
  Top Layer w0.8: C14.1 156.464,47.64 156.933,47.171 158.789,47.171 159.258,47.64 U2.1
NetC14_2: C14.2 D5.2 L4.1 U2.8 | length 11.9
  Top Layer w0.8: L4.1 150.436,58.606 151.892,57.15 151.892,55.372 ; D5.2@152.862,52.7 D5.2 ; C14.2 C14.2@156.697,52.937
NetD2_2: D2.2 F1.2 Q1.2 | length 12.4
  Top Layer w3: F1.2 147.837,122.537 150.203,122.537 D2.2@150.566,122.174 ; Q1.2 150.693,114.561 D2.2
NetD4_1: D4.1 L5.2 VR1.3 VR1.6 | length 59.3
  Top Layer w1: 144.526,66.929 145.923,68.326 145.923,71.755 148.336,74.168 ; VR1.3 145.474,78.207 147.648,78.207 148.336,77.519 148.336,74.168 ; 162.052,79.629 162.052,76.818 161.466,76.232 D4.1 157.353,75.832 155.689,74.168 148.336,74.168
  Top Layer w2: 141.732,66.929 144.526,66.929 ; L5.2 160.052,85.852 162.052,83.852 162.052,79.629
  Top Layer w3: VR1.6 135.819,68.686 137.576,66.929 141.732,66.929
NetL2_1: L2.1 R2.1 | length 4.1
  Top Layer w1: R2.1 160.208,112.041 160.794,111.455 L2.1
NetL3_1: L3.1 R3.1 | length 2.9
  Top Layer w1: L3.1 115.603,38.194 115.603,35.396 R3.1
NetL6_1: L6.1 R11.2 | length 2.9
  Top Layer w1: R11.2 153.923,34.544 L6.1
NetL7_1: L7.1 R13.2 | length 3
  Top Layer w1: L7.1 157.426,67.841 160.189,67.841 R13.2
NetR5_2: R5.2 R6.1 | length 2.4
  Top Layer w0.8: R5.2 121.732,49.332 121.732,46.934 R6.1
NetR6_2: R6.2 R7.1 | length 2.4
  Top Layer w0.8: R7.1 123.632,44.515 123.632,46.925 R6.2
NetR10_1: R10.1 R15.2 VR1.5 | length 8.6
  Top Layer w1: VR1.5 146.529,81.632 146.554,81.657 146.554,82.175 147.14,82.761 R10.1@150.411,82.761 ; R15.2 150.434,80.093 150.434,82.838 R10.1
NetR12_1: R12.1 VR1.2 | length 8.6
  Top Layer w1: R12.1 143.567,73.014 143.002,73.578 143.002,75.921 143.588,76.507 145.424,76.507 VR1.2
NetR15_1: R15.1 R17.1 | length 2.7
  Top Layer w1: R17.1 R15.1
PW_IN: C7.1 C8.1 C21.1 C25.1 C26.1 D6.2 E1.2 L5.1 R12.2 VR1.4 | length 26.1
  Top Layer w1: R12.2 141.667,81.534 ; 141.986,88.9 141.667,88.581 141.667,81.534 ; VR1.4 145.424,79.957 143.244,79.957 141.667,81.534
  Top Layer w2: 141.859,96.901 141.902,96.944 E1.2
SS_NET: C5.1 U1.8 | length 3.7
  Top Layer w1: U1.8@128.618,55.315 131.074,55.315 131.85,54.54 C5.1
SW_NET: C1.2 D3.2 L1.1 U1.3 | length 44.6
  Top Layer w0.8: D3.2@121.354,63.628 C1.2 124.605,63.356 124.636,63.356 125.857,62.135 U1.3
  Top Layer w1: 120.523,40.767 118.569,40.767 117.983,41.353 117.983,62.845 118.569,63.431 120.676,63.431 D3.2
  Top Layer w2: 120.523,40.767 129.794,40.767 L1.1
VCC_BATTERY: BT1.1 BT2.1+
VCC_IN: "JACK DC1.1" BT1.2 F1.1 VIN1.1
pads on no net: "JACK DC1.3" U2.2 U2.3 U2.5

## Polygon pours and split planes (outlines as drawn)
GND on Top Layer "GND_L01_P014" (solid, remove dead copper, pour order 14): 65.913,28.892 75.057,19.748 178.435,19.748 187.96,29.273 187.833,29.4 187.833,125.92 178.689,135.064 75.184,135.064 75.184,134.556 66.929,126.301
12V on Top Layer "12V_L01_P002" (solid, remove dead copper, pour order 2): 168.275,83.312 168.275,74.676 167.64,74.676 167.259,74.295 167.259,68.961 173.482,68.961 173.482,61.849 173.101,61.468 167.005,61.468 165.608,60.071 163.068,60.071 162.814,59.817 162.814,57.277 154.559,57.277 154.178,56.896 154.178,55.626 154.559,55.245 174.371,55.245 177.673,58.547 177.673,119.126 165.1,119.126 165.1,83.312
PW_IN on Top Layer "PW_IN_L01_P018" (solid, remove dead copper, pour order 18): 154.876,90.106 164.401,90.106 166.714,92.419 166.714,100.072 166.202,100.584 160.02,100.584 158.242,102.362 158.242,104.775 158.115,104.902 154.305,104.902 153.797,104.394 153.797,93.599 153.225,93.027 153.289,88.646 152.908,88.265 149.098,88.265 149.098,86.614 148.336,85.852 143.51,85.852 143.51,91.948 143.51,100.711 143.129,101.092 136.779,101.092 135.763,100.076 135.763,88.265 136.144,87.884 140.716,87.884 141.097,87.503 141.097,84.201 141.224,84.074 154.178,84.074 154.495,84.391 154.495,89.725
VCC_IN on Top Layer "VCC_IN_L01_P000" (solid, remove dead copper, pour order 0): 122.301,124.841 122.301,110.236 122.174,110.109 122.047,110.236 118.364,110.236 118.364,112.395 118.364,84.455 128.905,84.455 128.905,112.522 141.605,112.522 141.605,116.332 144.526,119.253 144.526,124.841 136.652,124.841
SW_NET on Top Layer "SW_NET_L01_P017" (solid, remove dead copper, pour order 17): 125.222,62.23 125.857,62.23 125.857,64.77 125.095,65.532 118.237,65.532 116.84,64.135 116.84,41.148 118.872,39.116 124.714,39.116 124.714,37.653 124.964,37.404 136.083,37.404 136.906,38.227 136.906,44.958 136.017,45.847 125.73,45.847 124.728,44.845 124.728,43.311 123.702,43.311 122.555,42.164 119.761,42.164 119.761,62.23
5V on Top Layer "5V_L01_P004" (solid, remove dead copper, pour order 4): 149.479,42.545 160.655,42.545 161.798,43.688 164.465,43.688 164.465,40.513 163.703,39.751 152.781,39.751 152.781,32.893 162.179,32.893 162.306,33.02 162.306,36.576 171.704,36.576 171.704,25.527 140.335,25.527 140.335,36.131 142.875,38.672 142.875,44.005 142.113,44.767 136.398,44.767 136.398,52.768 149.479,52.768
3.3V on Top Layer "3.3V_L01_P007" (solid, remove dead copper, pour order 7): 137.414,34.925 125.095,34.925 124.46,34.29 110.617,34.29 110.617,38.336 91.839,38.336 84.201,38.336 84.201,25.4 137.668,25.4 137.414,25.654
VCC_BATTERY on Top Layer "VCC_BATTERY_L01_P012" (solid, remove dead copper, pour order 12): 119.253,76.327 128.397,76.327 128.397,83.947 115.824,83.947 115.824,117.729 115.062,118.491 104.013,118.491 104.013,80.01 107.696,76.327
NetD4_1 on Top Layer "NETD4_1_L01_P011" (solid, remove dead copper, pour order 11): 130.302,86.487 140.462,86.487 140.462,70.993 130.302,70.993
NetC14_2 on Top Layer "NETC14_2_L01_P003" (solid, remove dead copper, pour order 3): 150.368,54.737 150.368,50.927 157.48,50.927 158.242,51.689 158.242,52.578 159.639,52.578 159.639,54.991 152.781,54.991 152.781,63.246 136.271,63.246 136.271,54.737
NetBT2_1- on Top Layer "NETBT2_1-_L01_P005" (solid, remove dead copper, pour order 5): 96.266,59.246 85.344,59.246 85.344,59.373 85.344,59.627 85.344,118.428 101.854,118.428 102.997,117.285 102.997,75.502 114.935,75.502 114.935,40.831 114.808,40.704 96.266,40.704
PW_IN on Top Layer "PW_IN_L01_P001" (solid, remove dead copper, pour order 1): 154.559,99.822 154.559,92.71 166.243,92.71 166.243,99.822
GND on Bottom Layer "GND_L02_P015" (solid, remove dead copper, pour order 15): 66.421,27.559 75.565,18.415 178.943,18.415 188.468,27.94 188.341,28.067 188.341,124.587 179.197,133.731 75.692,133.731 75.692,133.223 67.437,124.968

## Keep-outs
Keep-Out Layer:
  the board outline again, w0.1

## Silkscreen, mask and mechanical layers (free items; w line width, h text height)
Top Overlay:
  circle w0.2: c98.298,120.629 r1.8
  circle w0.2: c98.298,38.629 r1.8
  lines w0.2: 170.18,36.322 177.165,36.322 ; 172.339,31.115 172.339,56.642 ; 174.625,31.115 174.625,56.642 ; 170.18,31.115 177.165,31.115 177.165,56.642 170.18,56.642 170.18,31.115
  text "VCC  GND" at 140.081,115.292 h2 r180
  text "+" at 85.725,109.056 h10
  text "+" at 106.553,109.056 h10
  text "12V" at 169.291,108.331 h2
  text "5V->10V" at 118.745,105.319 h3
  text "ON" at 122.428,95.667 h3
  text "GND  12V" at 167.997,95.25 h2 r90
  text "GND  12V" at 167.997,85.344 h2 r90
  text "OFF" at 122.047,76.236 h3
  text "." at 159.004,46.482 h5
  text "-" at 87.376,44.937 h10
  text "-" at 106.68,44.937 h10
  text "GND   3.3V" at 92.202,35.076 h2
  text "GND   3.3V" at 102.87,35.076 h2
  text "GND   5V" at 142.113,34.949 h2
  text "GND   5V" at 162.179,34.949 h2
  text "3.3V" at 87.376,32.155 h2
  text "TITLE:  FINAL_BOARD_POWER" at 171.693,31.75 h1.5 r90
  text "MSSV:  22146384" at 174.226,31.75 h1.5 r90
  text "NAME:  NGUYỄN PHẠM TRUNG QUÂN" at 176.521,31.75 h1.5 r90
  text "5V" at 154.686,31.012 h2
Bottom Overlay:
  drawing of 459 lines, arcs and shapes, not listed
  text "DATE: 10/12/2025" at 174.528,80.772 h2.5 r270

## Text inside footprints (layer, text, board x,y; h text height)
U1: Mechanical 13 "*" at 127.648,59.969 h1 r270